# Altium PCB X3_Developer_RF_Output_V7.4.2_Nov2023_1402.06.07.PcbDoc
Units mil, origin at the board's own origin, x right, y up, seen from the top; angles counter-clockwise.
Board outline 1712.59 x 1637.81 mil, 2 copper layers (Top Layer, Bottom Layer); 60 components, 0 nets, 167 pads, 111 vias.
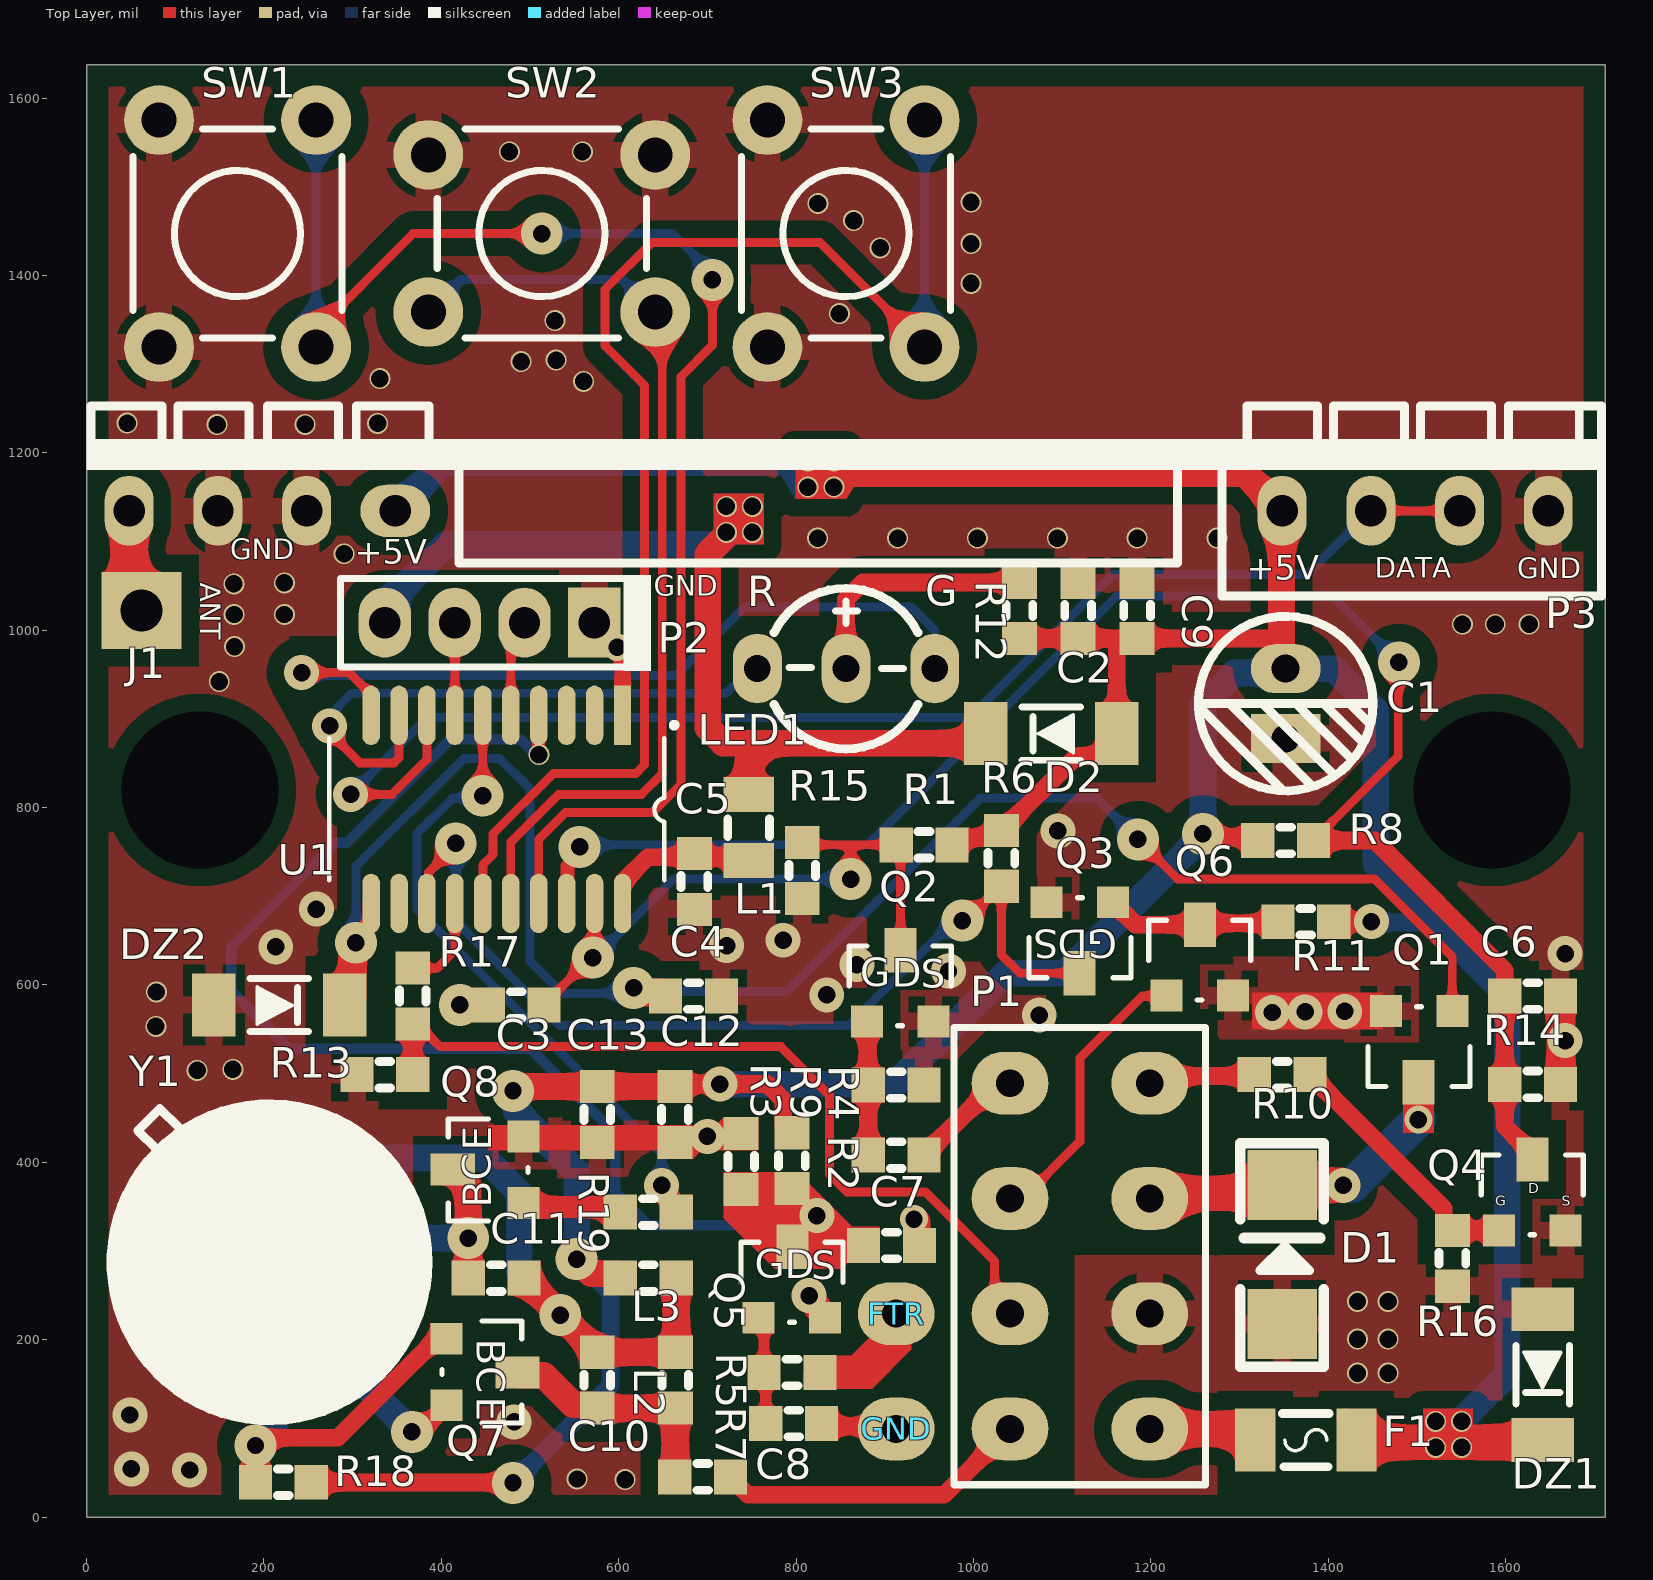
[diagram p0: Top Layer view]
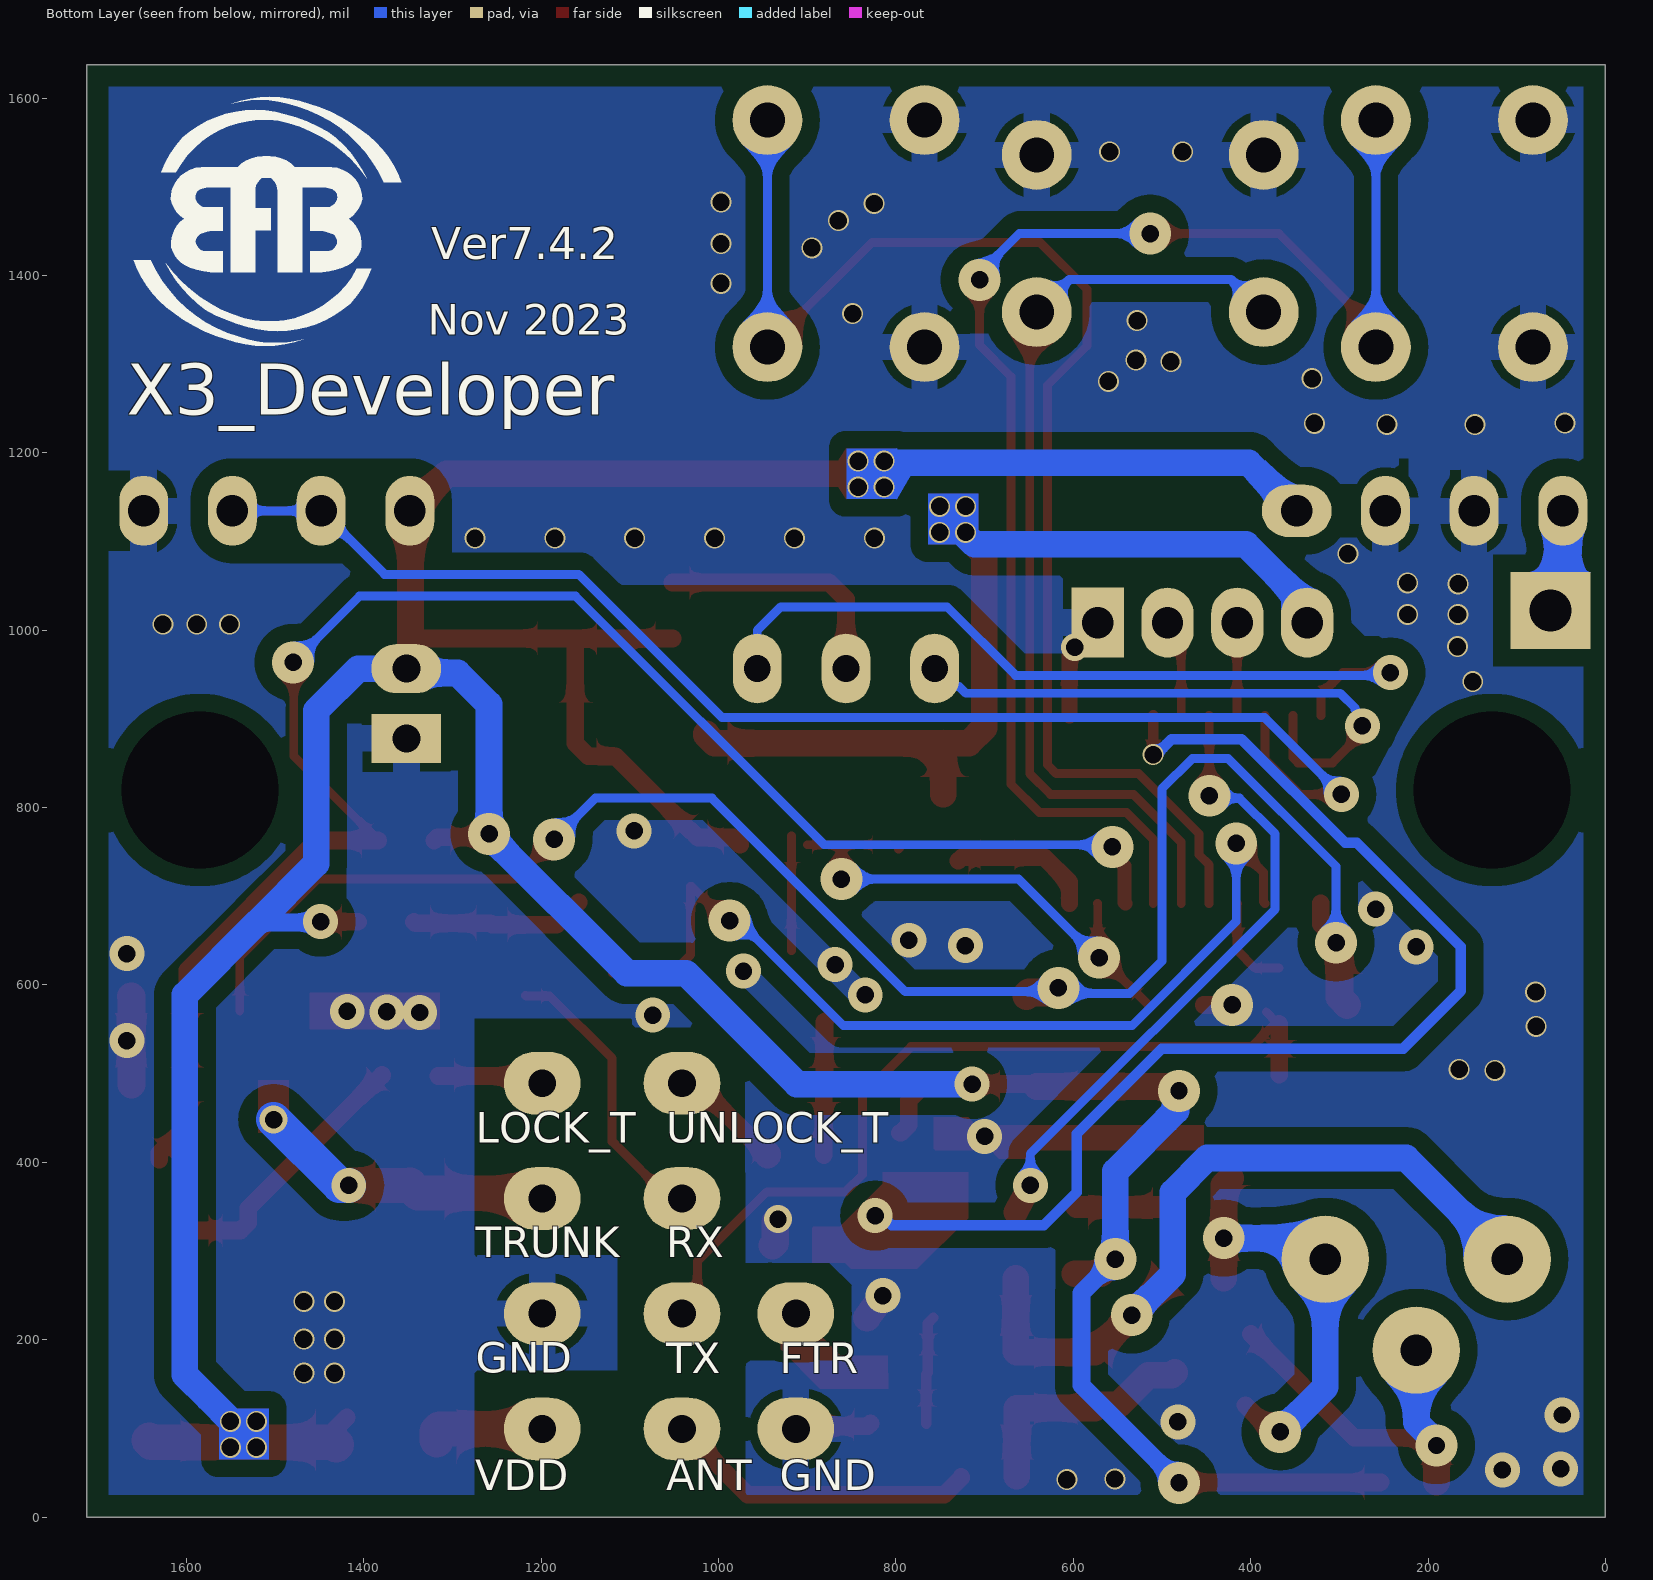
[diagram p1: Bottom Layer view, seen from below]

## Layer stack, top to bottom
Top Solder: solder mask 0.4, Solder Resist, Dk 3.5
Top Layer: signal copper 1.4
Dielectric 1: dielectric 12.6, FR-4, Dk 4.8
Bottom Layer: signal copper 1.4
Bottom Solder: solder mask 0.4, Solder Resist, Dk 3.5

## Board outline
0,0 0,1637.81 1712.59,1637.81 1712.59,0

## Design rules (kind name [scope] priority, off if disabled: settings)
Clearance [All] p1: gap=10 ignorepadtopadclearanceinfootprint=FALSE except(0: Arc-Hole Track-Hole SMDPad-Hole THPad-Hole Via-Hole Fill-Hole Poly-Hole Region-Hole Text-Hole)
PolygonConnect [All] p1: connectstyle=Relief reliefconductorwidth=10 reliefentries=4 polygonreliefangle="90 Angle" airgapwidth=10
RoutingVias [All] p1: holewidth=28 width=50 viastyle="Through Hole" minholewidth=28 minwidth=50 maxholewidth=28 maxwidth=50
SolderMaskExpansion [All] p1: expansion=4 istentingtop=FALSE
Width [All] p1: maxlimit=10 minlimit=10 preferedwidth=10
30 further rules are at their usual default settings.

## Components (designator, comment, footprint, x,y, rotation, side; value= is the part's Value field where it differs from the comment)
C1 "" CAP_5MM 1352.06,917.27 r270 top
C2 "" CAP_0603_NOMINAL 1118.03,1022.28 r270 top
C3 "" CAP_0603_NOMINAL 484.44,577.35 r0 top
C4 "" CAP_0603_NOMINAL 684.42,587.56 r180 top
C5 "" CAP_0603_NOMINAL 685.32,716.76 r90 top
C6 "" CAP_0603_NOMINAL 1630.48,587.56 r180 top
C7 "" Cap_0603_Nominal 907.5,306.32 r180 top
C8 "" CAP_0603_NOMINAL 694.63,45.45 r0 top
C9 "" CAP_0603_NOMINAL 1184.57,1022.28 r270 top
C10 "" CAP_0603_NOMINAL 575.83,154.37 r270 top
C11 "" CAP_0603_NOMINAL 461.91,269.53 r0 top
C12 "" CAP_0603_NOMINAL 663.32,454.04 r90 top
C13 "" CAP_0603_NOMINAL 575.83,454.04 r90 top
D1 "" DIODE_SMA 1348.09,296.05 r90 top
D2 "" DIODE_MINIMELF 1087.79,883.39 r180 top
DZ1 "" DIODE_ZENER_MINIMELF 1641.89,160.73 r270 top
DZ2 "" Diode_ZENER_MINIMELF 217.41,577.35 r0 top
F1 "" FUSE_1206_NOMINAL 1374.8,86.89 r180 top
FTR "" TPSMD_D1 912.86,229.39 r270 top net-tie
GND "" TPSMD_D1 912.86,99.46 r90 top net-tie
J1 "" PIN1 -100.94,1212.88 r0 top
L1 "" INDUCTOR_0805_Nominal 746.5,777.54 r270 top
L2 "" INDUCTOR_0603_NOMINAL 663.83,154.37 r270 top
L3 "" INDUCTOR_0603_NOMINAL 633.32,269.53 r0 top
LED1 "" LED_3MM_COMA 856.3,956.8 r0 top
P1 "" CON_2X4PIN 996.05,36.47 r0 top
P2 "" HDR_F_1X4_2mm 454.42,1008.56 r0 top
P3 "" RF_RXB6 48.09,1134.61 r0 top locked
Q1 "" SOT23 1502.4,530.52 r180 top
Q2 "" SOT23_MOSFET 917.32,598.98 r0 top
Q3 "" SOT23_MOSFET 1120.05,653.28 r180 top
Q4 "" SOT23_MOSFET 1629.98,363.3 r0 top
Q5 "" SOT23_MOSFET 795.36,264.84 r0 top
Q6 "" SOT23 1255,628 r0 top
Q7 "" SOT23_BJT 445.83,163.62 r270 top
Q8 "" SOT23_BJT 452.83,391.46 r90 top
R1 "" RES_0603_NOMINAL 944.35,758.06 r180 top
R2 "" RES_0603_NOMINAL 912.86,408.19 r0 top
R3 "" Res_0603_Nominal 738.14,400.92 r90 top
R4 "" RES_0603_NOMINAL 912.86,487.19 r0 top
R5 "" Res_0603_Nominal 795.36,163.12 r0 top
R6 "" Res_0603_Nominal 1031.51,742.86 r90 top
R7 "" Res_0603_Nominal 797.28,105.53 r0 top
R8 "" RES_0603_NOMINAL 1352.06,762.86 r0 top
R9 "" Res_0603_Nominal 795.31,401.88 r270 top
R10 "" RES_0603_NOMINAL 1348.08,498.86 r180 top
R11 "" RES_0603_NOMINAL 1374.8,671.33 r0 top
R12 "" RES_0603_NOMINAL 1051.88,1022.28 r90 top
R13 "" RES_0603_NOMINAL 336.34,498.86 r0 top
R14 "" RES_0603_NOMINAL 1630.48,487.95 r0 top
R15 "" RES_0603_NOMINAL 807,729 r270 top
R16 "" RES_0603_NOMINAL 1539.9,291.81 r270 top
R17 "" RES_0603_NOMINAL 367.83,587.56 r270 top
R18 "" RES_0603_NOMINAL 221.97,39.38 r0 top
R19 "" RES_0603_NOMINAL 633.32,343.94 r180 top
SW1 "" SWITCH_DIP_6*6 170.32,1447.24 r90 top locked
SW2 "" SWITCH_DIP_6*6 513.31,1447.24 r0 top locked
SW3 "" SWITCH_DIP_6*6 856.3,1447.25 r90 top locked
U1 "" NSOP20 462.57,798 r270 top
Y1 "" CRYSTAL_TO39 213.37,290.89 r45 top

## Footprints (in the part's own frame and the unit in brackets; to place one, negate y for a bottom-side part, rotate by r counter-clockwise, add the part's x,y. Pads: shape width x height; smd on the part's side, far side on the other; paste and mask are expansions set on the pad)
CAP_5MM [mm]
  oval 1.4x2 hole 0.8: 1(-1,0)
  rect 1.4x2 hole 0.8: 2(1,0)
  silkscreen extent -2.5,-2.5 2.5,2.5, body extent -2.53,-2.53 2.53,2.53, height 11.33
CAP_0603_NOMINAL [mm]
  rect 0.95x1 smd: 1(-0.8,0) 2(0.8,0)
  silkscreen extent -0.17,-0.38 0.17,0.38, body extent -0.8,-0.4 0.8,0.4, height 0.3
Cap_0603_Nominal [mm]
  rect 0.95x1 smd: 1(-0.8,0) 2(0.8,0)
  silkscreen extent -0.17,-0.38 0.17,0.38, body extent -0.8,-0.4 0.8,0.4, height 0.3
CON_2X4PIN [mm]
  oval 2.2x1.8 hole 0.8: 1(1.15,11.5) 2(5.15,11.5) 3(1.15,8.2) 4(5.15,8.2) 5(1.15,4.9) 6(5.15,4.9) 7(1.15,1.6) 8(5.15,1.6)
  silkscreen extent -0.45,0 6.75,13.1
CRYSTAL_TO39 [mil]
  round 0 / inner round 0 / far side round 98.43 hole 35.43: 1(-72.5,72.5) 2(-72.5,-72.5) 3(72.5,-72.5)
  silkscreen extent -186,-176 171,213, body extent -262,-262 262,262, height 264
DIODE_MINIMELF [mm]
  rect 1.25x1.8 smd: 1(-1.875,0) 2(1.875,0)
  silkscreen extent -0.84,-0.76 0.84,0.76, body extent -1.82,-0.8 1.88,0.8, height 1.6
DIODE_SMA [mm]
  rect 2x2 smd: 1(-1.99,0) 2(1.99,0)
  silkscreen extent -3.21,-1.19 3.19,1.2, body extent -2.6,-1.3 2.6,1.3, height 2.45
DIODE_ZENER_MINIMELF [mm]
  rect 1.25x1.8 smd: 1(-1.875,0) 2(1.875,0)
  silkscreen extent -0.84,-0.76 0.84,0.76, body extent -1.82,-0.81 1.88,0.79, height 1.61
Diode_ZENER_MINIMELF [mm]
  rect 1.25x1.8 smd: 1(-1.875,0) 2(1.875,0)
  silkscreen extent -0.84,-0.76 0.84,0.76, body extent -1.82,-0.81 1.88,0.79, height 1.61
FUSE_1206_NOMINAL [mm]
  rect 1.15x1.8 smd: 1(1.45,0) 2(-1.45,0)
  silkscreen extent -0.67,-0.76 0.67,0.76, body extent -1.7,-0.85 1.7,0.85, height 0.81
HDR_F_1X4_2mm [mm]
  oval 1.5x2 hole 0.9: 1(-3,0) 2(-1,0) 3(1,0)
  rect 1.5x2 hole 0.9: 4(3,0)
  silkscreen extent -4.27,-1.27 4.21,1.27, body extent -4,-1.01 4,0.99, height 4.36
INDUCTOR_0603_NOMINAL [mm]
  rect 0.95x1 smd: 1(-0.8,0) 2(0.8,0)
  silkscreen extent -0.17,-0.38 0.17,0.38, body extent -0.8,-0.4 0.8,0.4, height 0.8
INDUCTOR_0805_Nominal [mm]
  rect 1x1.45 smd: 1(-0.95,0) 2(0.95,0)
  silkscreen extent -0.25,-0.6 0.25,0.6, body extent -1.1,-0.72 1.1,0.73, height 0.55
LED_3MM_COMA [mm]
  oval 1.4x2 hole 0.762: 1(-2.54,0) 2(2.54,0) 3(0,0)
  silkscreen extent -2.06,-2.3 2.06,2.3, body extent -2.79,-2.02 2.79,2.03, height 6.81
NSOP20 [mm]
  rect 1.7x0.5 smd: 1(-2.692,3.6)
  oval 1.7x0.5 smd: 2(-2.692,2.8) 3(-2.692,2) 4(-2.692,1.2) 5(-2.692,0.4) 6(-2.692,-0.4) 7(-2.692,-1.2) 8(-2.692,-2) 9(-2.692,-2.8) 10(-2.692,-3.6) 11(2.692,-3.6) 12(2.692,-2.8) 13(2.692,-2) 14(2.692,-1.2) 15(2.692,-0.4) 16(2.692,0.4) 17(2.692,1.2) 18(2.692,2) 19(2.692,2.8) 20(2.692,3.6)
  silkscreen extent -2.44,-4.8 2.03,5.11, body extent -3.01,-4.8 2.99,4.8, height 1.65
PIN1 [mm] "Connector; Plug"
  rect 2.3x2.2 hole 1.2: 1(4.138,-4.841)
RES_0603_NOMINAL [mm]
  rect 0.95x1 smd: 1(-0.8,0) 2(0.8,0)
  silkscreen extent -0.17,-0.38 0.17,0.38, body extent -0.8,-0.42 0.84,0.43, height 0.26
Res_0603_Nominal [mm]
  rect 0.95x1 smd: 1(-0.8,0) 2(0.8,0)
  silkscreen extent -0.17,-0.38 0.17,0.38, body extent -0.8,-0.42 0.84,0.43, height 0.26
RF_RXB6 [mm]
  oval 1.4x2 hole 0.9: 1(0,0) 2(2.54,0) 3(5.08,0) 5(33.02,0) 6(35.56,0) 7(38.1,0) 8(40.64,0)
  oval 2x1.5 hole 0.9: 4(7.62,0)
  silkscreen extent -1.22,-2.44 42.27,3
SOT23 [mil]
  rect 36x36 smd: 1(-37.5,-40) 2(37.5,-40)
  rect 36x50 smd: 3(0.5,40)
  silkscreen extent -57,-45 58,45, body extent -59,-49 59,49, height 42
SOT23_BJT [mil]
  rect 36x36 smd: 1(-37.5,-40) 2(37.5,-40)
  rect 36x50 smd: 3(0.5,40)
  silkscreen extent -57,-45 58,45, body extent -59,-49 59,49, height 42
SOT23_MOSFET [mil]
  rect 36x36 smd: 1(-37.5,-40) 2(37.5,-40)
  rect 36x50 smd: 3(0.5,40)
  silkscreen extent -58,-45 58,45, body extent -59,-49 59,49, height 42
SWITCH_DIP_6*6 [mm]
  round 2 hole 1: 1(-3.25,2.25) 1(3.25,2.25) 2(-3.25,-2.25) 2(3.25,-2.25)
  silkscreen extent -3,-3 3,3, body extent -3.85,-3 3.85,3, height 4.3
TPSMD_D1 [mm] "Test Point, SMD Pad, Circle, 1mm X 1mm"
  oval 1.8x2.2 hole 0.8: 1(0,0)

## Part data
C1: library part Cap_Electrical
C2 C3 C4 C5 C6 C7 C8 C9 C10 C11 C12 C13: library part Cap
D1 D2: library part Diode
DZ1 DZ2: library part Diode_Zener
F1: library part FUSE
FTR GND: library part TESTPOINT_SMD
J1: library part Socket
L1 L2 L3: library part Inductor
LED1: library part LED_ComA
P1: library part "Header 8"
P2: library part "Header 4"
P3: library part RXB6
Q1 Q6: library part NPN_Digital
Q2 Q3 Q4 Q5: library part MOSFET_N
Q7 Q8: library part NPN
R1 R2 R3 R4 R5 R6 R7 R8 R9 R10 R11 R12 R13 R14 R15 R16 R17 R18 R19: library part RES
SW1: library part SW
SW2 SW3: library part SW_Right
U1: library part HT66F019
Y1: library part Saw_Filter

## Free pads (board coordinates)
  round 0 hole 177.17: 4(1584.65,819.69) 5(127.95,819.69)

## Via types
v1: diameter 23.62, hole 19.68, Top Layer to Bottom Layer, tented both sides, 59 vias
v2: diameter 39.37, hole 19.68, Top Layer to Bottom Layer, tented both sides, 28 vias
v3: diameter 47.24, hole 19.68, Top Layer to Bottom Layer, tented both sides, 21 vias
v4: diameter 31.5, hole 19.68, Top Layer to Bottom Layer, tented both sides, 3 vias

## Nets (pads, with @x,y where several pads share a name; then routed paths per layer and width w, separated by ;. In a path a pad name is that pad's centre, name@x,y a point inside that pad or via, vN(x,y) a via of type N, cw(c..) or ccw(c..) an arc to the next point about the centre after c; other vN are vias at no path point)
pads on no net: C1.1 C1.2 C2.1 C2.2 C3.1 C3.2 C4.1 C4.2 C5.1 C5.2 C6.1 C6.2 C7.1 C7.2 C8.1 C8.2 C9.1 C9.2 C10.1 C10.2 C11.1 C11.2 C12.1 C12.2 C13.1 C13.2 D1.1 D1.2 D2.1 D2.2 DZ1.1 DZ1.2 DZ2.1 DZ2.2 F1.1 F1.2 FTR.1 GND.1 J1.1 L1.1 L1.2 L2.1 L2.2 L3.1 L3.2 LED1.1 LED1.2 LED1.3 P1.1 P1.2 P1.3 P1.4 P1.5 P1.6 P1.7 P1.8 P2.1 P2.2 P2.3 P2.4 P3.1 P3.2 P3.3 P3.4 P3.5 P3.6 P3.7 P3.8 Q1.1 Q1.2 Q1.3 Q2.1 Q2.2 Q2.3 Q3.1 Q3.2 Q3.3 Q4.1 Q4.2 Q4.3 Q5.1 Q5.2 Q5.3 Q6.1 Q6.2 Q6.3 Q7.1 Q7.2 Q7.3 Q8.1 Q8.2 Q8.3 R1.1 R1.2 R2.1 R2.2 R3.1 R3.2 R4.1 R4.2 R5.1 R5.2 R6.1 R6.2 R7.1 R7.2 R8.1 R8.2 R9.1 R9.2 R10.1 R10.2 R11.1 R11.2 R12.1 R12.2 R13.1 R13.2 R14.1 R14.2 R15.1 R15.2 R16.1 R16.2 R17.1 R17.2 R18.1 R18.2 R19.1 R19.2 SW1.1 SW1.2 SW2.1 SW2.2 SW3.1 SW3.2 U1.1 U1.2 U1.3 U1.4 U1.5 U1.6 U1.7 U1.8 U1.9 U1.10 U1.11 U1.12 U1.13 U1.14 U1.15 U1.16 U1.17 U1.18 U1.19 U1.20 Y1.1 Y1.2 Y1.3
copper on no net: | length 28307.1
  Top Layer w10: v2(242.42,952.21) 296.05,952.21 320.85,927.4 320.85,904 ; 258.9,1319.29 258.9,1337.87 368.28,1447.24 v3(513.31,1447.24) ; v2(274.14,892.19) 274.14,884.24 293.9,864.48 ; 293.9,864.47 307.93,850.44 346.49,850.44 352.34,856.3 352.34,904 ; v2(297.8,814.95) 344.45,814.95 383.84,854.34 383.84,904 ; 367.83,556.07 368.82,556.07 370.96,558.21 ; 367.83,619.06 395.38,619.06 415.34,639.02 415.34,692 414.89,691.55 ; 382.52,569.77 370.96,558.21 ; 383.84,692 385.69,693.86 385.69,726.98 416.26,757.54 v3(416.26,759.56) ; 415.05,1008.56 415.34,1008.27 415.34,904 ; v3(446.57,813.35) 446.7,813.49 446.7,903.87 446.83,904 ; 446.83,692 446.83,735.51 458.33,747.01 458.33,770.5 526.17,838.33 619.21,838.33 629.14,848.26 629.14,1276.03 584.57,1320.59 584.57,1384.24 637.3,1436.98 827.2,1436.98 944.88,1319.3 ; 478.33,692 478.33,761.02 532.25,814.95 625.75,814.95 649.14,838.33 649.14,1350.79 641.26,1358.66 ; 478.33,905.5 478.33,995.65 ; 509.82,692 509.82,764.23 539.96,794.36 638.03,794.36 670.32,826.65 670.32,1286.02 705.69,1321.39 v3(705.69,1394.94) ; 515.93,577.35 515.93,578.33 568.44,630.84 v3(570.85,630.84) ; v3@572.05,629.95 572.43,630.33 572.43,691.62 572.82,692 ; 796.16,754.32 797.28,753.2 ; 807,758.06 861.52,758.06 ; v3(861.52,719.44) 861.52,758.06 ; 899.68,758.06 861.52,758.06 ; 917.82,638.98 917.82,768.31 ; v3(987.54,672.57) 991.73,672.57 1030.52,711.36 1031.51,711.36 1031.51,634.29 1052.52,613.28 1119.55,613.28 ; 1041.31,229.39 1023.78,246.92 1023.78,288.57 945.69,366.66 857.3,366.66 837.59,386.37 837.59,475.88 782.95,530.52 398.66,530.52 370.96,558.21 ; 1041.31,359.31 1055.71,359.31 1120.05,423.65 1120.05,517.18 1190.36,587.49 1216.99,587.49 1217.5,588 ; v3(1185.47,764.2) 1230.07,719.6 1452.1,719.6 1539.9,631.79 1539.9,570.52 ; 1383.55,762.86 1383.55,763.84 1397.25,777.54 1398.24,777.54 1478.89,858.2 1478.89,962.82 v3(1479.7,963.63) ; 1448.09,1134.61 1548.09,1134.61
  Top Layer w11.81: 509.82,904 509.88,903.95 v1(509.94,859.68) v1(509.94,859.68) ; 757.86,224.84 763.86,218.84 763.86,163.12 765.78,161.2 765.78,105.53
  Top Layer w15.75: 541.32,692 542.07,692.76 542.07,734.01 555.85,747.79 v3(555.85,755.64)
  Top Layer w18: 572.53,1008.56 572.53,997.66 ; v4(598.39,980.77) v4@590.48,980.77 ; 604.29,904 604.29,966.95 v4@590.48,980.77 ; 572.53,997.66 579.55,990.63 ; 572.53,997.66 572.53,990.63 579.55,990.63 ; 579.55,990.63 589.42,980.77 v4@590.48,980.77 ; 579.55,990.63 580.62,990.63 v4@590.48,980.77
  Top Layer w19.68: v3(303.8,647.58) 303.8,651.33 320.85,668.38 320.85,692 ; 367.83,498.86 367.83,556.07 ; 604.29,692 604.29,715.63 632.86,744.2 674.38,744.2 685.32,744.2 698.27,744.2 725.45,744.2 729.5,740.14 ; 726.13,45.45 726.13,44.46 745.55,25.04 966.88,25.04 1041.31,99.46
  Top Layer w20: v3@199.38,89.63 283.18,89.63 399.94,206.39 ; 253.47,39.38 253.85,39 480.46,39 v3(480.83,38.62) ; v3@381.1,101.39 405.83,126.12 ; v3(421.02,577.6) 421.15,577.47 452.81,577.47 452.94,577.35 ; 641.26,485.53 644.02,488.3 v2(714.07,488.3) 767.72,488.3 785.63,470.39 785.63,442.08 794.33,433.38 795.31,433.38 ; 737.16,432.41 738.14,432.41 ; 828.78,105.53 831.81,102.5 909.83,102.5 912.86,99.46 ; 856.3,967.29 856.3,1034.81 875.26,1053.77 1051.88,1053.77 ; 879.82,558.98 880.59,558.21 880.59,487.96 881.36,487.19 881.36,408.19 ; 949.04,412.88 1025.39,489.23 ; 975.85,758.06 984,766.21 1023.36,766.21 1031.51,774.35 ; 1032,773.86 1116.09,857.95 1147,857.95 1161.61,872.56 1161.61,883.39 1161.61,986.57 1157.4,990.78 ; 1051.88,990.78 1118.03,990.78 1157.4,990.78 ; 1157.55,693.28 1182.83,668 1255.5,668 1257.17,669.67 1341.64,669.67 1343.31,671.33 ; 1198.79,489.23 1206.91,497.35 1316,497.35 ; v3(1258.78,770.37) 1262.53,766.62 1316.8,766.62 1320.56,762.86 ; 1347.28,995.65 1342.41,990.78 1184.57,990.78 1157.4,990.78 ; 1379.58,498.86 1379.58,497.87 1388.28,489.17 1389.26,489.17 1530.22,348.22 1530.22,332.01 1538.92,323.3 ; 1383.55,762.86 1452.81,762.86 1598.99,616.68 1598.99,487.95 1598.99,440.72 1621.4,418.3 1622.48,418.3 1630.48,410.3 1630.48,403.3 ; 1406.3,671.33 1406.34,671.37 v2(1448.71,671.41) v2(1448.71,671.41) ; 1419.25,112.32 1431.89,99.68 1431.89,88.54 1431.89,86.89 ; 1539.9,323.3 1538.92,323.3 ; 1592.48,323.3 1547.02,323.3 1538.92,323.3 ; 1661.98,587.56 1662.26,587.28
  Top Layer w25: 497.74,349.53 596.23,349.53
  Top Layer w27.56: v2(648.49,374.15) 664.82,343.94
  Top Layer w30: 190.49,39.4 v3@190.49,80.74 ; 422.83,381.96 430.41,374.39 v3(430.41,314.53) 430.41,269.53 ; v3(480.83,480.59) 485.5,480.59 490.45,485.53 641.26,485.53 ; 485.83,163.12 488.83,160.12 515.39,160.12 548.94,126.58 572.13,126.58 575.83,122.88 663.83,122.88 663.83,46.15 ; 497.16,264.84 v3(534.15,227.85) 571.15,190.85 ; v3(552.64,290.9) 569.32,274.21 598.13,274.21 ; 575.83,185.87 663.83,185.87 ; 664.82,186.85 664.82,269.53 ; v1@729.5,1115 700.32,1085.82 700.32,890.13 717.89,872.56 734.95,872.56 746.5,872.56 ; 746.5,814.95 746.5,872.56 ; 826.7,1176.35 1306.36,1176.35 1323.72,1158.98 1328.73,1158.98 1348.09,1139.63 1348.09,1134.61 1347.28,1133.81 1347.28,995.65 1347.28,961.41 1352.06,956.64 ; 944.35,408.19 944.35,409.18 948.06,412.88 949.04,412.88 ; 1013.97,883.39 1013.97,882.17 1004.36,872.56 746.5,872.56 ; 1025.39,489.23 1041.31,489.23
  Top Layer w31.5: 291.23,577.35 300.09,586.2 300.09,639.61 303.8,643.32 v3(303.8,647.58) ; v3(616.81,596.7) 621.07,596.7 626.27,591.5 649.97,591.5 652.92,588.55 652.92,587.56 ; v2(814.61,249.7) 832.86,224.84 ; v4(932.95,335.91) 936.04,332.82 936.04,309.27 939,306.32 ; 1661.98,487.95 1661.98,587 1662.26,587.28
  Top Layer w39.37: 1198.79,99.46 1314.76,99.46 1317.72,96.51 1317.72,86.89 ; 1198.79,359.31 1204.82,365.33 1339.03,365.33 1348.09,374.39 1348.32,374.15 v2(1416.9,374.15)
  Top Layer w40: 48.09,1036.17 48.09,1134.61 ; 1431.3,81.75 1433.93,84.39 1521.06,84.39 1550.35,84.39 1639.36,84.39 1641.89,86.91
  Bottom Layer w10: v2(242.42,952.21) 245.63,949 665.06,949 742.43,1026.37 929.75,1026.37 956.3,999.82 956.3,975.8 ; 258.9,1319.29 258.9,1575.2 ; v2(274.14,892.19) 274.14,902.27 282.3,910.43 282.3,912.28 299.02,929 721.31,929 728.67,936.36 735.46,936.36 750.97,951.87 750.97,958.66 756.3,958.66 ; v2(297.8,814.95) 384.33,901.47 996.04,901.47 1157.57,1063 1376.48,1063 1448.09,1134.61 1548.09,1134.61 ; v3(303.8,647.58) 303.8,733.8 425.25,855.25 465.93,855.25 500.13,821.05 500.13,626.84 536.41,590.56 613.11,590.56 v3@616.81,594.26 ; 385.35,1358.66 422.09,1395.4 604.52,1395.4 641.26,1358.66 ; v3(416.26,759.56) 416.26,671.74 533.82,554.18 859.07,554.18 977.46,672.57 v3(987.54,672.57) ; v3(446.57,813.35) 443.97,810.75 412.84,810.75 372.46,770.37 372.46,685.54 648.49,409.51 v2(648.49,374.15) ; v3(513.31,1447.24) 660.74,1447.24 705.69,1402.29 v3(705.69,1394.94) ; v3(555.85,755.64) 558.27,758.06 880.91,758.06 1161.47,1038.61 1404.72,1038.61 v3(1479.7,963.63) ; v3(570.85,630.84) 572.94,630.84 661.54,719.44 v3(861.52,719.44) ; v3@620.94,592.56 789.27,592.56 1007.46,810.75 1138.92,810.75 v3(1185.47,764.2) ; 944.88,1319.3 944.88,1575.2
  Bottom Layer w11.81: v1(509.94,859.68) 506.74,859.68 489.1,877.32 410.51,877.32 293.45,760.26 280.38,760.26 163.33,643.2 163.33,593.24 228.26,528.3 500.13,528.3 596.19,432.24 596.19,366.07 633.32,328.94 804.94,328.94 815.98,339.98 v2(823.44,339.98)
  Bottom Layer w20: v3(480.83,38.62) 590.83,148.62 590.83,252.7 v3(552.64,290.9) ; v2@1447.85,670.55 v2(1448.71,671.41) ; v2@1448.71,670.55 1519.99,670.55 1520.32,670.22
  Bottom Layer w30: 110.84,290.89 224.83,404.88 449.17,404.88 487.87,366.18 487.87,274.14 v3(534.15,227.85) ; v3(190.51,80.76) 190.51,84.1 213.37,106.96 213.37,188.36 ; 336.31,1008.56 350.83,1023.09 350.83,1042.24 ; 340.83,1032.24 405.3,1096.71 711.21,1096.71 v1@729.25,1114.76 ; 348.09,1134.61 350.07,1134.61 372.46,1157 372.46,1158.98 402.2,1188.73 v1@811.51,1188.73 ; v3@366.43,96.17 315.9,146.7 315.9,290.89 334.42,290.89 358.06,314.53 v3(430.41,314.53) ; v3(480.83,480.59) 484.13,477.29 484.13,458.34 552.64,389.83 v3(552.64,290.9) ; v2(714.07,488.3) 911.63,488.3 1036.72,613.39 1103.41,613.39 1258.78,768.75 v3(1258.78,770.37) 1258.78,916.49 1294.12,951.83 1347.25,951.83 1352.06,956.64 1352.18,956.52 1406.36,956.52 1453.7,909.18 1453.7,736.84 1519.99,670.55 ; 1520.32,670.22 1601.64,588.9 1601.64,160.45 1575.36,134.18 v1@1549.09,107.9
  Bottom Layer w39.37: v2(1416.9,374.15) 1427.44,374.15 v4(1501.59,448.3)
  Bottom Layer w40: 48.09,1036.17 48.09,1134.61
  other v1: 607.23,42.21 553.03,43 1521.06,78.62 1550.35,78.62 1521.06,107.9 1550.35,107.9 1433,162.33 1467.64,162.33 1433,200.78 1467.64,200.78 1433,243.14 1467.64,243.14 124.6,503.65 164.95,504.74 78.19,553.43 78.68,592.1 149.63,942.04 166.82,981.46 1551.26,1006.75 1588.34,1006.75 1626.56,1006.75 166.47,1017.71 222.98,1017.71 166.11,1052.19 222.98,1053.26 290.46,1086.21 824.36,1103.78 914.41,1103.78 1004.46,1103.78 1094.51,1103.78 1184.56,1103.78 1274.6,1103.78 721.42,1110.35 750.7,1110.35 721.42,1139.63 750.7,1139.63 813.42,1161.35 842.7,1161.35 813.42,1190.63 842.7,1190.63 147.33,1231.89 246.38,1232.13 328.18,1233.19 45.69,1233.6 560.42,1280.62 330.65,1283.69 490.02,1302.74 529.54,1304.58 528.17,1349.16 848.85,1356.91 997.25,1391.12 894.72,1431.04 997.25,1435.94 864.95,1461.86 824.55,1481.11 997.25,1482.56 476.69,1539.47 559.17,1539.47
  other v2: 116.21,53.17 50.6,54.38 482.16,107.38 48.99,115.16 700.01,429.35 1667.16,537.33 1074.23,565.95 1336.87,568.97 1373.88,569.68 1418.66,570.23 834.62,588.87 971.85,615.72 868.63,622.87 1667.16,635.41 213.37,642.92 721.6,644.38 785.35,650.46 259.27,685.44 1095.13,773.69
  other v3: 366.88,96.17

## Polygon pours and split planes (outlines as drawn)
no net on Top Layer "TOP POLY" (solid, remove dead copper, pour order 0): 0,0 0,1637.8 1712.6,1637.8 1712.6,0
no net on Bottom Layer "BOT POLY" (solid, remove dead copper, pour order 2): -1.48,0 -1.48,1637.8 1711.12,1637.8 1711.12,0

## Other copper
Top Layer:
  rectangle: 1484.28,433.38 1519.09,492.91
  rectangle: 1314.17,549.62 1461.44,591.5
  rectangle: 452.53,413.58 755.94,442.08
  rectangle: 461.01,441.69 755.94,442.08
  rectangle: 1506.78,64.98 1563.5,122.27
  rectangle: 799.14,1147.71 855.86,1204.99
  rectangle: 707.14,1096.71 763.86,1153.99
  pour cut-out: 1275.08,31.45 1275.04,31.42 1275.04,24.06 1284.84,24.06 1285.56,23.34 1285.56,32.66
  pour cut-out: 1596.45,199.94 1596.32,199.81 1596.32,131.81 1605.66,131.81 1610.54,131.81 1688.46,131.81 1688.46,199.81
  pour cut-out: 1275.7,295.67 1276.31,295.06 1407.47,295.06 1407.47,314.14 1408.14,314.81 1407.02,315.93 1274.37,315.93
  pour cut-out: 1388.66,135.53 1255.85,135.53 1255.39,135.08 1255.39,127.87 1388.52,127.87 1388.68,128.04
  pour cut-out: 1463.9,535.52 1463.84,535.58 1417.9,535.58 1417.9,522.24 1416.9,521.24 1463.92,521.24
  pour cut-out: 1501.9,608.52 1501.9,642.92 1514.86,629.96 1514.86,608.52
  pour cut-out: 1083,675 1083.63,674.37 1125.88,674.37 1125.88,667.4 1123.62,669.67 1082.55,669.67
  pour cut-out: 282.52,752.21 282.06,752.67 282.06,785.15 294.35,785.15 296.67,782.83 295.05,781.21 295.05,756.15
  pour cut-out: 259.63,837.22 206.42,935.42 215.83,951.87 265.31,851.38
  pour cut-out: 955,623 956.03,623 966.87,633.83 974.41,626.29 1008.88,626.29 1008.88,636.11 1006.67,638.32 1004.44,636.08 956.18,636.08
  pour cut-out: 798.16,555.4 798.76,555.99 842.12,555.99 842.12,540.85 841.03,539.76 836.95,543.85 816.65,543.85
  region: 809.4,182.14 809.58,181.96 862.32,181.96 899.1,218.74 898.92,218.92 898.92,242.6 928.17,242.6 929.24,243.68 930.14,242.78 930.14,189.08 885.96,144.9 808.68,144.9
  pour cut-out: 898.12,134.33 898.39,134.06 928.54,134.06 928.54,146.01 927.18,147.37 926.09,146.28 897.31,146.28
  region: 718.52,389.11 718.52,337.18 775.78,279.93 850.79,279.93 857.9,287.04 894.49,287.04 894.49,325.52 894.72,325.74 892.71,327.75 863.38,327.61 856.12,334.86 815.08,375.91 815.08,388.92
  region: 643.87,441.14 643.97,441.24 708.67,441.24 718.39,450.96 718.73,450.63 757.44,450.63 757.44,414.94 756.51,414 693.55,414 683.26,403.72 683.11,403.87 643.53,403.87
  pour cut-out: 519.22,617.03 519.11,617.14 519.11,633.31 531.14,633.31 531.58,632.87 531.58,617.34
  pour cut-out: 429.7,633.03 528.26,633.03 528.41,632.88 528.51,632.97 528.51,642.92 429.18,642.92 429.08,643.01
  pour cut-out: 1522.31,285.2 1522.31,315.74 1532.03,315.74 1532.45,285.37 1532.03,284.96
  pour cut-out: 1473.93,135.53 1474.71,134.76 1491.12,134.76 1491.12,124.4 1491.32,124.19 1473.82,124.19
  pour cut-out: 1560.28,448.27 1554.48,442.46 1554.48,361.3 1570.48,361.3 1572.48,363.3 1568.95,366.84 1568.95,448.27
  pour cut-out: 1166.83,756.51 1166.83,730.95 1186.96,730.95 1186.96,749.47 1186.22,750.21
  pour cut-out: 1147.55,1041.41 1148.37,1042.23 1155.09,1042.23 1155.09,1029.48 1156.6,1027.97 1156.19,1027.56 1147.27,1027.56
  pour cut-out: 1191.64,952.08 1192.31,951.41 1206.22,951.41 1206.22,938.82 1191.64,938.82
  pour cut-out: 268.02,891.79 268.02,838.18 268.86,837.35 277.69,837.35 277.69,882.12 274.64,885.17
  pour cut-out: 287.8,757.04 282.39,751.62 282.39,616.72 296.01,616.72 294.65,618.07 294.65,757.04
  pour cut-out: 1304.61,631.65 1304.35,631.9 1292.96,631.9 1292.96,640.74 1291.7,642
  pour cut-out: 1265.01,572.94 1252.41,572.94 1252.41,561.48 1264.48,561.48 1266.38,559.58
  pour cut-out: 367.83,353.96 367.83,239.12 390.72,239.12 391.04,238.8 395.38,243.14 395.38,353.96
  pour cut-out: 748.81,1364.94 748.81,1415.28 747.56,1414.03 737.81,1414.03 737.81,1372.44 733.79,1368.42 733.79,1362.11 734.94,1362.11 737.81,1359.24
  pour cut-out: 735.35,1016.35 826,1016.35 826.64,1015.71 826.64,1005.21 735.93,1005.21 734.88,1004.16
  pour cut-out: 1092,578 1092,542.85 1091.79,542.64 1125.88,542.64 1125.88,577.9 1126.14,578.16
  pour cut-out: 332.42,1067.82 332.57,1067.97 533,1067.97 533,1053.45 346.78,1053.45
  pour cut-out: 1097.13,560.61 1098.91,562.39 1275.7,562.39 1275.7,295.67 1273.3,293.27 1271.26,295.3 1108.03,295.3
  pour cut-out: 969.79,504.39 1017.62,552.22 1104.65,552.22 1113.96,542.91 1113.96,25.04 971.99,25.04 969.22,27.81
  pour cut-out: 233.09,1180.87 233.09,1190.57 227.04,1190.57 227.04,1175.62
  pour cut-out: 163.97,1180.5 177.46,1180.5 177.46,1170.59
  pour cut-out: 276.63,1162.31 302.67,1162.31 302.67,1140.43 280.64,1140.43
  pour cut-out: 276.63,1106.92 302.67,1106.92 302.67,1128.8 280.64,1128.8
  pour cut-out: 228.91,993.74 286.78,993.74 286.78,972.13
  pour cut-out: 1663.96,1088.73 1690.6,1088.73 1690.6,1119.61
  pour cut-out: 1663.96,1180.5 1689.04,1180.5 1689.04,1153.51
  pour cut-out: 1548.09,1075.21 1374.8,1075.21 1374.8,1120.32 1400.59,1120.32
  pour cut-out: 1548.09,1194.02 1352.06,1194.02 1352.06,1159.65 1502.4,1159.65
  pour cut-out: 1651.98,458.27 1637.69,458.27 1637.69,448.3 1651.98,448.3
  region: 855.86,1147.7 855.86,1165.08 867.18,1165.08
  region: 855.86,1204.99 855.86,1187.61 867.18,1187.61
Bottom Layer:
  rectangle: 1506.78,64.98 1563.5,122.27
  rectangle: 799.14,1147.71 855.86,1204.99
  rectangle: 707.14,1096.71 763.86,1153.99
  pour cut-out: 1418.87,733.79 1419.31,733.35 1419.31,692.44 1433.74,706.86 1433.74,734.09
  pour cut-out: 259.63,837.22 206.42,935.42 215.83,951.87 265.31,851.38
  pour cut-out: 620.29,258.56 620.29,307.52 620.89,308.11 593.19,335.81 588.84,335.81 588.84,296.7 586.85,294.71
  pour cut-out: 249.91,674.06 263.96,660.01 264.44,660.01 264.44,667.22 268.29,671.06 256.15,683.19 256.15,684.87
  pour cut-out: 344.13,664.29 358.23,664.29 358.53,664.6 357.53,665.6 357.53,670.91 341.03,670.91 340.89,670.76
  pour cut-out: 934.67,1051.45 1109.34,1051.45 1109.34,1039.31 1098.59,1028.57 1090.3,1036.86 948.76,1036.86
  pour cut-out: 944.14,286.9 970.32,286.9 970.75,286.47 970.75,265.46 969.85,265.46 967.43,263.04 953.68,276.79 946.93,276.79 946.93,284.31 943.87,287.36
  pour cut-out: 968.82,173.16 965.74,176.25 849.8,176.25 849.8,260.89 849.36,261.33 874.93,286.9 944.14,286.9 946.78,284.25 946.78,268.82
  pour cut-out: 320.72,685.36 335.54,685.36 335.68,685.49 331.33,689.85 331.33,693.38 320.04,693.38 319.9,693.25
  pour cut-out: 581.34,428.88 582.06,428.16 592.64,428.16 592.64,432.03 592.4,432.27 592.05,431.91 578.78,431.91
  pour cut-out: 977.35,630.12 977.35,627.34 992.5,612.19 999.11,618.79 999.11,631.24 989.37,640.98 974.82,640.98
  pour cut-out: 1401.93,895.09 1402.62,894.4 1419.71,894.4 1419.71,908.54 1419.94,908.77 1418.12,910.59 1401.25,910.59
  pour cut-out: 1302.69,840.34 1301.47,841.56 1283.75,841.56 1282.47,842.83 1282.47,849.26 1303.45,849.26
  pour cut-out: 1286.45,961.65 1286.45,1014.73 1285.75,1015.43 1294.98,1015.43 1294.98,961.99 1295.55,961.42
  pour cut-out: 286.31,1008.56 271.47,993.73 255.91,993.73 255.91,987.49 268.08,975.32 286.74,993.97 286.74,998.72
  pour cut-out: 1097.13,560.61 1098.91,562.39 1275.7,562.39 1275.7,295.67 1273.3,293.27 1271.26,295.3 1108.03,295.3
  pour cut-out: 1113.79,165.39 1272.21,165.39 1272.28,165.45 1275.7,162.03 1275.7,10.39 1115.96,10.39 1113.96,8.39
  pour cut-out: 969.79,504.39 1017.62,552.22 1104.65,552.22 1113.96,542.91 1113.96,25.04 971.99,25.04 969.22,27.81
  pour cut-out: 731.56,1334.56 688.76,1334.56 688.76,1371.43 717.3,1371.43
  pour cut-out: 233.09,1180.87 233.09,1194.02 222.02,1194.02 222.02,1170.59
  pour cut-out: 280.64,1165.22 303.8,1165.22 303.8,1156.16 284.4,1156.16
  pour cut-out: 280.64,1104.01 303.8,1104.01 303.8,1113.07 284.4,1113.07
  pour cut-out: 163.33,1180.32 175.11,1180.32 175.11,1175.56 166.6,1175.56
  pour cut-out: 609.3,1030.17 611.49,1061.68 583.08,1061.68
  pour cut-out: 1300.49,1122.8 1300.49,1088.04 1310.99,1088.04 1310.99,1093.04
  pour cut-out: 1548.09,1075.21 1420.39,1075.21 1420.39,1109.57 1493.77,1109.57
  pour cut-out: 1348.09,1194.02 1548.09,1194.02 1548.09,1161.13 1392.06,1161.13 1392.06,1164.64
  pour cut-out: 1663.52,1180.5 1689.51,1180.5 1689.51,1153.74
  pour cut-out: 1663.45,1088.79 1689.14,1088.79 1689.14,1117.7
  region: 799.14,1147.71 799.14,1175.63 782.75,1175.63
  region: 799.14,1204.99 799.14,1187.61 788.94,1187.61

## Silkscreen, mask and mechanical layers (free items; w line width, h text height)
Top Overlay:
  rectangle: 605.66,954.23 636.38,1062.48
  region: 206.3,108.68 ccw(c206.3,287.36) 384.97,287.36 ccw(c206.3,287.36) 206.3,466.03 ccw(c206.3,287.36) 27.62,287.36 ccw(c206.3,287.36)
  lines w8: 978.32,36.47 1261.78,36.47
  text "GND" at 639.56,1030.9 h39.37
Bottom Overlay:
  region: 1475.32,1590.52 ccw(c1518.67,1441.78) 1377.19,1504.93 1357.74,1504.94 cw(c1471.26,1464.66) 1402.99,1563.9 cw(c1508.05,1429.22) 1462.31,1593.79 cw(c1505.78,1471.63) 1549.26,1593.79 ccw(c1517.48,1474.97)
  region: 1611.9,1516.24 ccw(c1513.02,1463.24) 1484.82,1571.82 ccw(c1527.24,1417.65) 1396.48,1509.69 cw(c1524.24,1446.69) 1440.81,1562.14 cw(c1534.37,1402.76) 1489.19,1581.97 cw(c1522.54,1463.51) 1604.22,1555.56 cw(c1521.82,1478.25) 1628.23,1516.26
  region: 1602.52,1412.14 ccw(c1586.82,1438.64) 1616.9,1432 ccw(c1582.35,1435.71) 1602.67,1463.9 ccw(c1584.22,1492.71) 1617.71,1485.69 ccw(c1581.12,1485.69) 1583.52,1522.19 1542.08,1522.19 1542.08,1499.27 1575.79,1499.27 cw(c1571.16,1464.59) 1584.58,1496.91 cw(c1580.94,1488.52) 1590.08,1488.31 cw(c1577.18,1489.56) 1575.93,1476.65 1559.25,1476.65 1559.25,1450.15 1571.64,1450.15 cw(c1569.23,1415.84) 1581.88,1447.82 cw(c1578.55,1436.73) 1589.99,1438.53 cw(c1578.14,1439.31) 1577.36,1427.45 1577.36,1427.43 1559.19,1427.43 1559.19,1403.69 1572.89,1403.69 ccw(c1569.05,1473.3)
  region: 1417.11,1412.16 cw(c1432.82,1438.66) 1402.74,1432.02 cw(c1437.28,1435.73) 1416.96,1463.92 cw(c1435.41,1492.73) 1401.93,1485.71 cw(c1438.51,1485.71) 1436.12,1522.21 1477.55,1522.21 1477.55,1499.29 1443.84,1499.29 ccw(c1448.47,1464.6) 1435.05,1496.93 ccw(c1438.7,1488.54) 1429.55,1488.33 ccw(c1442.46,1489.58) 1443.7,1476.67 1460.38,1476.67 1460.38,1450.16 1447.99,1450.16 ccw(c1450.4,1415.86) 1437.75,1447.84 ccw(c1441.08,1436.75) 1429.64,1438.55 ccw(c1441.49,1439.32) 1442.27,1427.47 1442.27,1427.44 1460.44,1427.44 1460.44,1403.71 1446.74,1403.71 cw(c1450.59,1473.32)
  region: 1407.7,1407.47 ccw(c1506.57,1460.47) 1534.77,1351.88 ccw(c1492.35,1506.06) 1623.11,1414.02 cw(c1495.35,1477.02) 1578.78,1361.56 cw(c1485.22,1520.95) 1530.4,1341.74 cw(c1497.05,1460.2) 1415.37,1368.15 cw(c1497.77,1445.45) 1391.37,1407.45
  region: 1541.85,1331.29 ccw(c1498.51,1480.03) 1639.98,1416.88 1659.44,1416.86 cw(c1545.92,1457.15) 1614.18,1357.9 cw(c1509.13,1492.58) 1554.87,1328.01 cw(c1511.4,1450.17) 1467.92,1328.01 ccw(c1499.7,1446.83)
  region: 1522.54,1403.77 1522.54,1450.82 1504.94,1450.82 1504.94,1475.92 1522.54,1475.92 1522.54,1495.47 ccw(c1504.78,1495.47) 1517.34,1508.03 ccw(c1511.76,1502.45) 1511.76,1510.34 1508.03,1510.34 ccw(c1508.03,1502.45) 1502.45,1508.03 ccw(c1515.01,1495.47) 1497.25,1495.47 1497.25,1403.77 1469.56,1403.77 1469.56,1499.37 1469.49,1499.37 1477.55,1522.21 cw(c1506.66,1493.1) 1505.65,1534.26 1505.65,1534.27 1514.15,1534.27 cw(c1513.13,1493.12) 1542.24,1522.23 1542.08,1522.19 1550.04,1499.84 1550.1,1499.84 1550.1,1403.77
  lines w0.1: 1469.49,1499.37 1477.55,1522.21 ; 1542.08,1522.19 1550.04,1499.84
  text "Ver7.4.2" at 1324,1406.54 h62.01
  text "Nov 2023" at 1328,1322.13 h59.06
  text "X3_Developer" at 1667,1224 h98.43
  text "UNLOCK_T" at 1059.23,410.87 h59.06
  text "LOCK_T" at 1274,410.87 h59.06
  text "RX" at 1059.23,281.62 h59.06
  text "TRUNK" at 1274,282 h59.06
  text "FTR" at 931,150.87 h59.06
  text "TX" at 1059.23,150.87 h59.06
  text "GND" at 1274,151.25 h59.06
  text "GND" at 931,19.25 h59.06
  text "ANT" at 1059.23,18.87 h59.06
  text "VDD" at 1274.05,18.87 h59.06

## Text inside footprints (layer, text, board x,y; h text height)
LED1: Top Overlay "G" at 945.74,1016.03 h59.06; Top Overlay "R" at 744.96,1015.49 h59.06
P3: Top Overlay "ANT" at 120.53,1053.77 h39.37 r270; Top Overlay "GND" at 162.08,1072.09 h39.37; Top Overlay "+5V" at 1308.09,1047.61 h47.24; Top Overlay "DATA" at 1452.35,1051.05 h39.37; Top Overlay "GND" at 1613.09,1050.61 h39.37; Top Overlay "+5V" at 302.28,1066.17 h47.24
Q2: Top Overlay "G" at 872.12,587.88 h55.12; Top Overlay "S" at 940.7,586.41 h55.12; Top Overlay "D" at 907.73,587.29 h55.12
Q3: Top Overlay "G" at 1162.36,673.22 h55.12 r180; Top Overlay "S" at 1095.48,672.78 h55.12 r180; Top Overlay "D" at 1129.09,673.2 h55.12 r180
Q4: Top Overlay "G" at 1588.46,346.98 h19.68; Top Overlay "S" at 1663.46,346.98 h19.68; Top Overlay "D" at 1625.46,360.98 h19.68
Q5: Top Overlay "G" at 753.44,258.93 h55.12; Top Overlay "S" at 817.19,257.73 h55.12; Top Overlay "D" at 787.23,258.45 h55.12
Q7: Top Overlay "C" at 429.14,170.06 h55.12 r270; Top Overlay "E" at 429.14,135.98 h55.12 r270; Top Overlay "B" at 429.41,200.9 h55.12 r270
Q8: Top Overlay "C" at 466.52,379.04 h55.12 r90; Top Overlay "E" at 466.85,413.2 h55.12 r90; Top Overlay "B" at 467.18,348.86 h55.12 r90